# Altium PCB PCB_ESP_R8_POE_3C v2_2023-10-08.pcbdoc (part 3 of 3)
Units mm, origin at the board's own origin, x right, y up, seen from the top; angles counter-clockwise.
Board outline 188.8 x 138.86 mm, 2 copper layers (Top Layer, Bottom Layer); 275 components, 213 nets, 829 pads, 1172 vias.
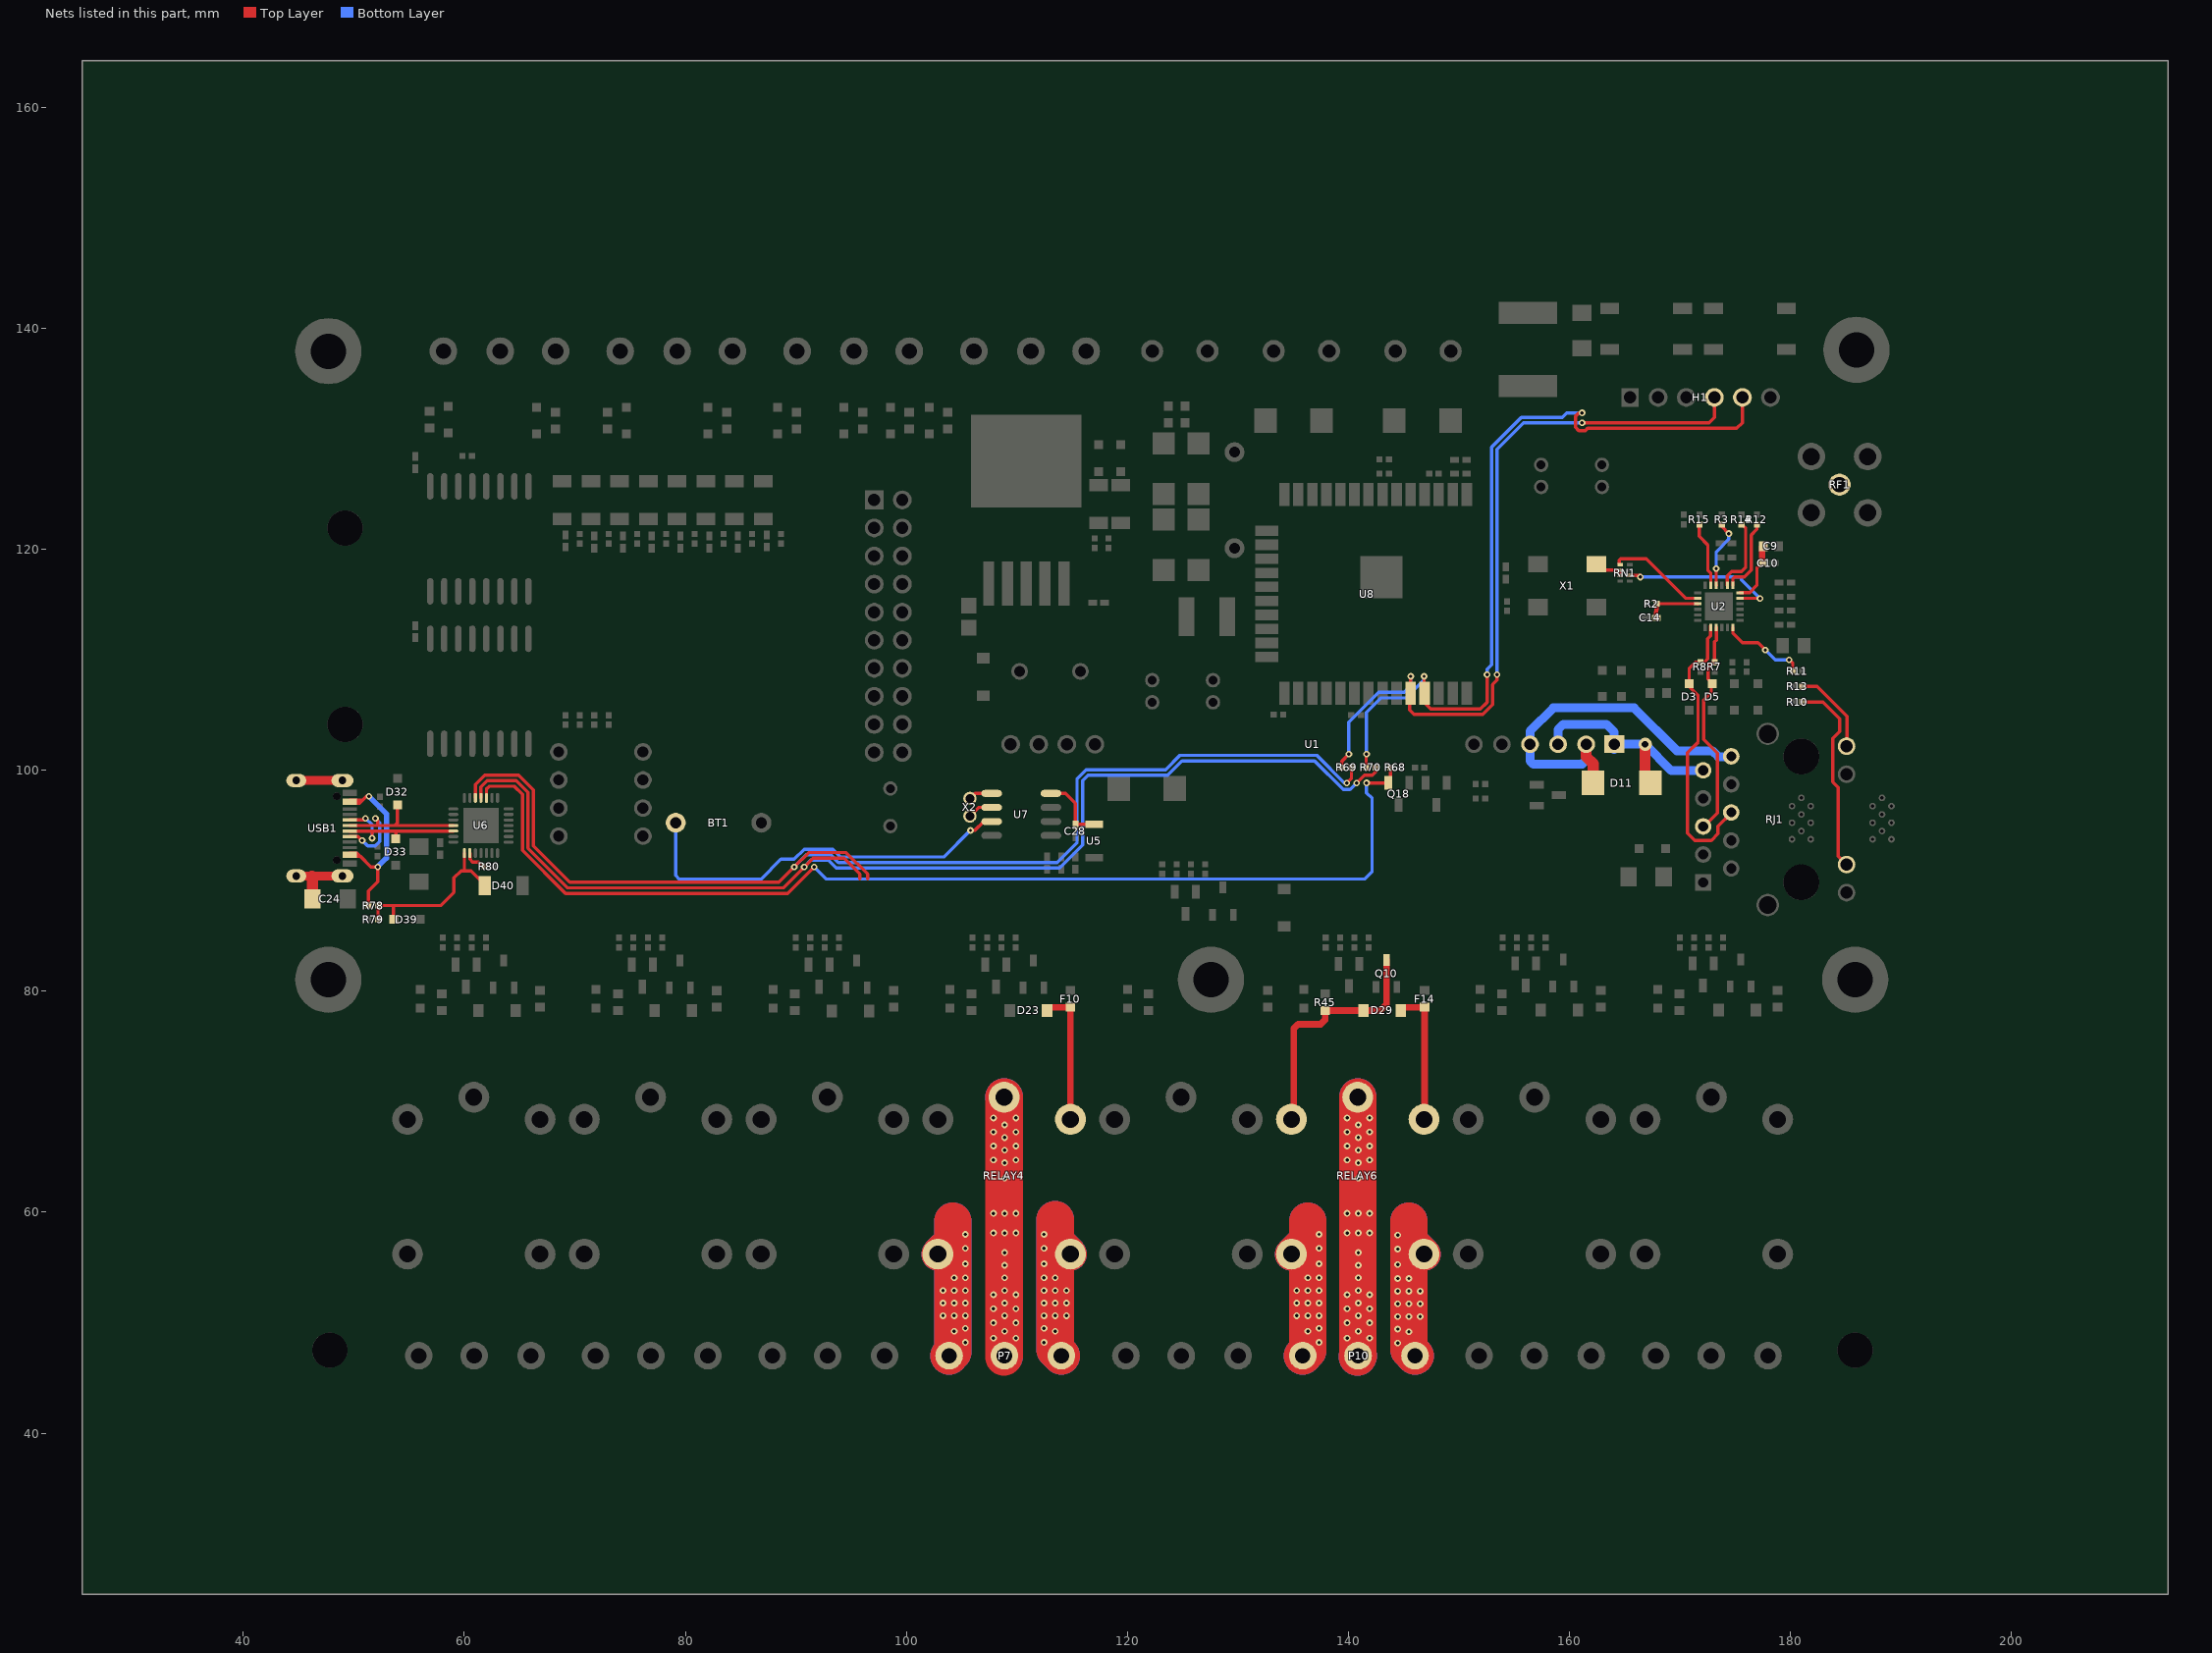
[diagram p3: the nets of this part, all layers, seen from the top]

## Via types
v1: diameter 0.6, hole 0.3, Top Layer to Bottom Layer, tented both sides, 1151 vias
v2: diameter 1.2, hole 0.6, Top Layer to Bottom Layer, tented both sides, 9 vias
v3: diameter 1, hole 0.5, Top Layer to Bottom Layer, tented both sides, 6 vias
v4: diameter 2, hole 1, Top Layer to Bottom Layer, tented both sides, 4 vias
v5: diameter 0.4, hole 0.2, Top Layer to Bottom Layer, tented both sides, 2 vias

## Nets (pads, with @x,y where several pads share a name; then routed paths per layer and width w, separated by ;. In a path a pad name is that pad's centre, name@x,y a point inside that pad or via, vN(x,y) a via of type N, cw(c..) or ccw(c..) an arc to the next point about the centre after c; other vN are vias at no path point) (continued)
RELAY4_2: P7.1 RELAY4.2 | length 31.8
  Top Layer w3: RELAY4.2@102.85,56.211 104.203,57.564 104.203,59.205
  Top Layer w3.4: P7.1@103.87,47.011 104.203,47.344 104.203,59.205
  Bottom Layer w3: RELAY4.2@102.85,56.211 104.203,57.564 104.203,59.205
  Bottom Layer w3.4: P7.1@103.87,47.011 104.203,47.344 104.203,59.205
  other v1: 105.346,48.219 104.33,49.235 105.346,49.489 103.314,50.632 104.33,50.632 105.346,50.632 103.314,51.775 104.33,51.775 105.346,51.775 103.314,52.918 104.33,52.918 105.346,52.918 104.33,54.061 105.346,54.061 105.346,55.331 105.346,56.728 105.346,57.998
RELAY4_3: P7.3 RELAY4.3 | length 32.5
  Top Layer w3: 113.474,59.332 113.474,57.586 RELAY4.3@114.849,56.211
  Top Layer w3.4: 113.474,59.332 113.474,47.567 P7.3@114.03,47.011
  Bottom Layer w3: 113.474,59.332 113.474,57.586 RELAY4.3@114.849,56.211
  Bottom Layer w3.4: 113.474,59.332 113.474,47.567 P7.3@114.03,47.011
  other v1: 112.458,48.219 113.474,49.235 112.458,49.489 112.458,50.632 113.474,50.632 114.49,50.632 112.458,51.775 113.474,51.775 114.49,51.775 112.458,52.918 113.474,52.918 114.49,52.918 112.458,54.061 113.474,54.061 112.458,55.331 112.458,56.728 112.458,57.998
RELAY4_4: D23.1 F10.2 RELAY4.4 | length 12.4
  Top Layer w0.6: D23.1@112.742,78.261 113.039,78.558 F10.2@114.85,78.558 ; RELAY4.4@114.851,68.41 F10.2@114.851,78.557
RELAY4_5: P7.2 RELAY4.5 | length 47.1
  Top Layer w3.4: P7.2@108.831,46.886 108.831,46.963 P7.2@108.879,47.011 108.85,47.04 RELAY4.5@108.85,70.411
  Bottom Layer w2.5: RELAY4.5@108.831,70.298 108.85,70.317 RELAY4.5@108.85,70.411
  Bottom Layer w3.4: RELAY4.5@108.85,70.411 108.879,70.411 P7.2@108.879,47.011
  other v1: 107.886,48.6 109.918,48.6 108.902,49.235 107.886,49.997 109.918,49.997 108.902,50.632 107.886,51.267 109.918,51.267 108.902,51.775 107.886,52.537 109.918,52.537 108.902,52.918 108.902,54.061 108.902,55.204 108.902,56.347 107.886,58.125 108.902,58.125 109.918,58.125 107.886,59.903 108.902,59.903 109.918,59.903 108.902,63.078 108.902,64.475 107.886,64.729 109.918,64.729 108.902,65.618 107.886,65.999 109.918,65.999 108.902,66.761 107.886,67.269 109.918,67.269 108.902,67.904 107.886,68.539 109.918,68.539
RELAY6_1: D29.2 Q10.3 R45.2 RELAY6.1 | length 22.1
  Top Layer w0.6: RELAY6.1@134.851,68.412 135.049,68.611 135.049,76.612 135.45,77.01 137.5,77.01 137.899,77.412 R45.2@137.9,78.258 D29.2@141.358,78.26 ; D29.2@141.357,78.261 142.9,78.261 143.45,78.811 Q10.3@143.45,82.846
RELAY6_2: P10.1 RELAY6.2 | length 32
  Top Layer w3: RELAY6.2@134.85,56.211 136.334,57.695 136.334,59.205
  Top Layer w3.4: P10.1@135.87,47.011 136.334,47.475 136.334,59.205
  Bottom Layer w3: RELAY6.2@134.85,56.211 136.334,57.695 136.334,59.205
  Bottom Layer w3.4: P10.1@135.87,47.011 136.334,47.475 136.334,59.205
  other v1: 137.35,48.219 136.334,49.235 137.35,49.489 135.318,50.632 136.334,50.632 137.35,50.632 135.318,51.775 136.334,51.775 137.35,51.775 135.318,52.918 136.334,52.918 137.35,52.918 136.334,54.061 137.35,54.061 137.35,55.331 137.35,56.728 137.35,57.998
RELAY6_3: P10.3 RELAY6.3 | length 32
  Top Layer w3: 145.478,59.205 145.478,57.582 RELAY6.3@146.849,56.211
  Top Layer w3.4: 145.478,59.205 145.478,47.563 P10.3@146.03,47.011
  Bottom Layer w3: 145.478,59.205 145.478,57.582 RELAY6.3@146.849,56.211
  Bottom Layer w3.4: 145.478,59.205 145.478,47.563 P10.3@146.03,47.011
  other v1: 144.462,48.156 145.478,49.172 144.462,49.426 144.462,50.569 145.478,50.569 146.494,50.569 144.462,51.712 145.478,51.712 146.494,51.712 144.462,52.855 145.478,52.855 146.494,52.855 144.462,53.998 145.478,53.998 144.462,55.268 144.462,56.665 144.462,57.935
RELAY6_4: D29.1 F14.2 RELAY6.4 | length 12.4
  Top Layer w0.6: D29.1@144.742,78.261 145.039,78.558 F14.2@146.9,78.558 146.9,68.462 RELAY6.4@146.85,68.411
RELAY6_5: P10.2 RELAY6.5 | length 47.5
  Top Layer w3.4: P10.2@140.835,46.886 140.835,46.967 P10.2@140.879,47.011 140.85,47.04 RELAY6.5@140.85,70.411
  Bottom Layer w2: P10.2@140.879,46.93 P10.2@140.879,47.011 P10.2@140.879,46.93 ; P10.2@140.879,46.93 140.835,46.886 P10.2@140.879,46.93
  Bottom Layer w2.5: RELAY6.5@140.835,70.298 140.85,70.313 RELAY6.5@140.85,70.411
  Bottom Layer w3.4: P10.2@140.835,46.886 140.835,46.967 P10.2@140.879,47.011 140.85,47.04 RELAY6.5@140.85,70.411
  other v1: 139.89,48.6 141.922,48.6 140.906,49.235 139.89,49.997 141.922,49.997 140.906,50.632 139.89,51.267 141.922,51.267 140.906,51.775 139.89,52.537 141.922,52.537 140.906,52.918 140.906,54.061 140.906,55.204 140.906,56.347 139.89,58.125 140.906,58.125 141.922,58.125 139.89,59.903 140.906,59.903 141.922,59.903 140.906,63.078 140.906,64.475 139.89,64.729 141.922,64.729 140.906,65.618 139.89,65.999 141.922,65.999 140.906,66.761 139.89,67.269 141.922,67.269 140.906,67.904 139.89,68.539 141.922,68.539
RJ1_9: D11.1 RJ1.9 U1.1 U1.3 | length 21.5
  Top Layer w1: v2(166.85,102.361) 166.85,98.861 D11.1@167.34,98.862
  Bottom Layer w0.8: U1.3@158.981,102.362 158.981,103.691 159.451,104.16 163.352,104.16 164.061,103.452 U1.1@164.061,101.91 ; U1.1@164.06,102.361 v2(166.85,102.361) 169.239,99.972 RJ1.9@172.135,99.972
RJ1_10: D11.2 RJ1.10 U1.2 U1.4 | length 34.2
  Top Layer w1: U1.2@161.521,102.362 161.521,101.24 162.158,100.602 D11.2@162.158,98.862
  Bottom Layer w0.8: U1.2@161.521,102.36 161.521,100.93 161.152,100.561 156.75,100.561 156.441,100.871 156.441,102.362 156.441,103.553 158.549,105.662 165.849,105.662 169.75,101.76 172.951,101.76 173.469,101.242 RJ1.10@174.675,101.242
RJ1_12: R10.1 RJ1.12 | length 18
  Top Layer w0.3: R10.1@181.09,106.195 182.943,106.195 184.467,104.671 184.467,103.528 183.832,102.893 183.832,98.956 184.34,98.448 184.34,92.212 RJ1.12@185.115,91.438
RJ1_14: R13.1 RJ1.14 | length 7.9
  Top Layer w0.3: R13.1@181.09,107.592 182.435,107.592 185.115,104.912 RJ1.14@185.115,102.156
RN1_6: RN1.6 RN1.7 X1.3 | length 2.9
  Top Layer w0.3: X1.3@162.44,118.661 162.972,118.129 RN1.7@164.608,118.129 RN1.6@164.608,117.629
RTS: Q18.2 R68.2 U6.24 | length 101.4
  Top Layer w0.3: U6.24@62,97.511 62.001,98.311 62.25,98.56 64.495,98.56 65.25,97.816 65.25,92.761 69.151,88.862 89.25,88.862 v1(91.65,91.261) ; v1(141.65,98.862) Q18.2@143.601,98.861 ; Q18.2@143.6,98.861 143.817,99.078 R68.2@143.817,100.261
  Bottom Layer w0.3: v1(91.65,91.261) 92.75,90.161 141.45,90.161 142.15,90.861 142.15,97.461 141.65,97.96 v1(141.65,98.862)
RXD: H1.4 R69.1 U8.34 | length 69.3
  Top Layer w0.3: R69.1@139.418,100.262 139.418,100.828 v1(140.05,101.461) ; U8.34@145.633,106.973 145.65,106.99 v1(145.65,108.511) ; U8.34@145.633,106.973 145.549,106.891 145.549,105.461 145.949,105.061 152.15,105.061 153.05,105.961 153.05,107.761 153.45,108.161 v1(153.45,108.661) ; v1(161.15,131.461) 172.651,131.461 173.121,131.93 H1.4@173.121,133.762
  Bottom Layer w0.3: v1(140.05,101.461) 140.05,104.361 142.75,107.061 145.05,107.061 145.65,107.661 v1(145.65,108.511) ; v1(153.45,108.661) 153.45,129.061 155.85,131.461 v1(161.15,131.461)
S$15828: 
S$15996: 
S$15998: 
S$16279: 
S$16285: 
S$16287: 
S$36735: 
S$36737: 
S$36740: 
S$36742: 
S$36745: 
S$36748: 
S$36758: 
S$36761: 
S$36763: 
S$37166: 
S$37168: 
S$37170: 
S$37172: 
S$37174: 
S$37176: 
S$37178: 
S$37180: 
S$37182: 
S$37184: 
S$37188: 
S$37269: 
S$37273: 
S$112725: 
S$360708: 
S$361067: 
S$362174: 
S$385954: 
S$385958: 
S$385962: 
SIG: RF1.1
TD+: D5.2 R7.2 RJ1.5 U2.21 | length 20
  Top Layer w0.3: RJ1.5@172.135,94.892 173.4,96.157 173.4,101.562 172.151,102.812 172.151,106.363 172.849,107.061 172.849,107.765 D5.2@172.951,107.866 ; D5.2@172.95,107.866 172.549,108.266 172.549,109.36 172.984,109.794 173.149,109.794 173.15,111.642 173.296,111.788 U2.21@173.296,112.923
TD-: D3.1 R8.2 RJ1.6 U2.20 | length 26.4
  Top Layer w0.3: D3.1@170.85,107.867 170.85,109.26 171.383,109.794 R8.2@171.851,109.794 ; D3.1@170.85,107.867 170.85,107.562 171.65,106.761 171.65,102.56 170.7,101.61 170.7,94.31 171.35,93.66 172.849,93.66 173.451,94.262 173.451,94.935 RJ1.6@174.675,96.162 ; R8.2@171.85,109.794 172.239,109.794 172.516,110.071 172.516,111.913 172.783,112.179 U2.20@172.783,113.053
TXD: H1.5 R70.1 U8.35 | length 72.6
  Top Layer w0.3: R70.1@141.617,100.261 141.617,101.428 v1(141.65,101.461) ; v1(146.85,108.511) 146.85,107.026 U8.35@146.903,106.973 ; U8.35@146.903,106.973 146.903,106.108 147.451,105.56 151.95,105.56 152.55,106.16 v1(152.55,108.661) ; v1@161.15,132.36 160.85,132.36 160.55,132.06 160.55,131.062 160.85,130.762 161.452,130.762 161.65,130.96 175.148,130.96 175.661,131.473 H1.5@175.661,133.762
  Bottom Layer w0.3: v1(141.65,101.461) 141.65,105.261 142.95,106.561 145.25,106.561 146.85,108.161 v1(146.85,108.511) ; v1(152.55,108.661) 152.549,109.162 152.951,109.56 152.951,129.261 155.651,131.961 159.351,131.961 159.752,132.361 v1(161.15,132.361)
U2_5: RN1.3 U2.5 | length 14.7
  Top Layer w0.3: RN1.3@165.463,117.629 166.433,117.63 v1(166.433,117.498) ; U2.5@175.452,115.581 177.23,115.58 v1(177.25,115.561)
  Bottom Layer w0.3: v1(166.433,117.498) 175.577,117.498 175.577,117.234 v1(177.25,115.561)
U2_6: C9.1 C10.1 U2.6 | length 5.6
  Top Layer w0.3: U2.6@175.452,116.081 176.319,116.081 176.974,116.736 176.974,118.297 C10.1@177.445,118.768
  Top Layer w0.6: C10.1@177.445,118.768 177.445,120.193 C9.1@177.544,120.292
U2_7: R12.2 U2.7 | length 7
  Top Layer w0.3: U2.7@174.795,116.738 174.795,117.351 174.942,117.498 175.831,117.498 176.466,118.133 176.466,121.308 176.974,121.816 R12.2@176.974,122.272
U2_8: R14.2 U2.8 | length 6.9
  Top Layer w0.3: U2.8@174.295,116.738 174.294,117.612 174.688,118.006 175.577,118.006 175.958,118.387 175.958,121.892 R14.2@175.577,122.272
U2_10: R3.2 U2.10 | length 6.3
  Top Layer w0.3: v1(173.291,118.26) 173.291,116.744 U2.10@173.296,116.739 ; R3.2@173.799,122.272 173.799,122.07 v1(174.434,121.435)
  Bottom Layer w0.3: v1(173.291,118.26) 173.291,119.784 174.434,120.927 v1(174.434,121.435)
U2_11: R15.2 U2.11 | length 6
  Top Layer w0.3: R15.2@171.767,122.272 171.767,121.181 172.529,120.419 172.529,118.133 172.796,117.866 U2.11@172.795,116.738
U2_14: RN1.8 U2.14 | length 9.1
  Top Layer w0.3: RN1.8@164.609,118.628 164.528,118.71 164.528,119.022 164.655,119.149 166.941,119.149 ; 166.954,119.149 170.51,115.58 U2.14@171.637,115.581
U2_15: C14.1 R2.2 U2.15 | length 5
  Top Layer w0.3: R2.2@167.882,115.085 171.634,115.085 U2.15@171.637,115.081
  Top Layer w0.4: C14.1@167.868,113.815 R2.2@167.882,115.085
U2_24: R11.1 U2.24 | length 7.7
  Top Layer w0.3: U2.24@174.795,112.924 174.795,112.438 175.671,111.562 177.068,111.562 v1(177.736,110.894) ; v1(179.895,110.005) 180.224,109.676 R11.1@180.224,108.989
  Bottom Layer w0.3: v1(177.736,110.894) 178.625,110.005 v1(179.895,110.005)
U5_1: C28.1 U5.1 U7.8 | length 6.3
  Top Layer w0.3: U7.8@113.082,97.916 114.395,97.916 115.3,97.011 C28.1@115.3,95.056 115.355,95.111 U5.1@116.994,95.111
U6_8: D39.2 D40.1 R78.2 R79.1 U6.8 | length 16.4
  Top Layer w0.3: R79.1@52.183,86.511 R78.2@52.183,87.761 ; R78.2@52.184,87.762 57.851,87.762 59.049,88.961 59.049,90.262 59.7,90.912 60.604,90.907 61.851,89.66 D40.1@61.851,89.561 ; D39.2@53.595,86.511 53.595,87.761 ; 59.999,90.912 U6.8@59.999,92.511
U6_9: R80.1 U6.9 | length 2.1
  Top Layer w0.3: U6.9@60.499,92.511 60.499,91.962 60.75,91.711 61.25,91.711 61.65,91.311 R80.1@61.817,91.311
U7_1: U7.1 X2.1 | length 2.2
  Top Layer w0.3: X2.1@105.75,97.461 106.205,97.916 U7.1@107.717,97.916
U7_2: U7.2 X2.2 | length 2.3
  Top Layer w0.3: X2.2@105.75,95.861 106.535,96.646 U7.2@107.717,96.646
U7_3: BT1.1 U7.3 | length 36.2
  Top Layer w0.3: v1@105.801,94.562 106.199,94.562 107.015,95.377 U7.3@107.718,95.377
  Bottom Layer w0.3: BT1.1@79.125,95.261 79.126,90.485 79.451,90.16 86.85,90.16 88.651,91.961 89.849,91.961 90.749,92.86 93.35,92.86 94.051,92.161 103.4,92.161 v1@105.801,94.562
  other v1: 105.8,94.561
USB1_1: C24.1 USB1.1 USB1.2 USB1.3 USB1.4 | length 10.5
  Top Layer w0.8: USB1.4@44.785,90.441 USB1.2@48.965,90.441 ; USB1.3@44.785,99.081 USB1.1@48.965,99.081
  Top Layer w1: 46.207,90.441 46.257,90.391 C24.1@46.257,88.361
USB_DN: D33.2 U6.5 USB1.A7 USB1.B7 | length 14.3
  Top Layer w0.3: USB1.A7@49.616,94.51 U6.5@59,94.511 ; USB1.B7@49.615,95.511 50.9,95.511 v1(51.05,95.661) ; v1(51.65,93.861) 51.65,94.511 ; 53.7,94.51 53.8,94.41 D33.2@53.8,93.816
  Bottom Layer w0.3: v1(51.05,95.661) 51.65,95.061 v1(51.65,93.861)
USB_DP: D32.2 U6.4 USB1.A6 USB1.B6 | length 17.6
  Top Layer w0.3: USB1.B6@49.615,94.011 50.4,94.011 v1(50.75,93.661) ; USB1.A6@49.615,95.011 U6.4@59,95.011 ; v1(51.95,95.661) 52.159,95.451 52.159,95.011 ; 53.7,95.011 53.95,95.261 D32.2@53.95,96.856
  Bottom Layer w0.3: v1@50.751,93.66 51.249,93.16 51.95,93.16 52.349,93.561 52.349,95.26 v1(51.95,95.661)
USB_RX: R69.2 U6.26 | length 107.2
  Top Layer w0.3: U6.26@61,97.511 61,98.71 61.851,99.561 64.902,99.561 66.25,98.212 66.25,93.16 69.55,89.86 88.45,89.86 v1(89.85,91.261) 91.15,92.56 94.551,92.56 96.499,90.612 96.499,90.16 ; v1(139.85,98.861) 140.283,99.294 R69.2@140.282,100.262
  Bottom Layer w0.3: v1(89.85,91.261) 90.949,92.36 93.149,92.36 93.85,91.661 113.649,91.661 115.45,93.462 115.45,99.261 116.25,100.061 123.449,100.061 124.749,101.361 137.149,101.361 139.649,98.862 v1(139.85,98.861)
USB_TX: R70.2 U6.25 | length 106.5
  Top Layer w0.3: U6.25@61.5,97.511 61.5,98.511 62.049,99.06 64.701,99.06 65.75,98.011 65.75,92.962 69.349,89.36 88.851,89.36 90.751,91.26 91.551,92.06 94.35,92.06 95.801,90.612 95.801,90.16 ; v1(140.75,98.861) 141.45,99.561 142.183,99.561 142.483,99.861 R70.2@142.482,100.262
  Bottom Layer w0.3: v1(90.75,91.261) 91.351,91.862 92.951,91.862 93.649,91.161 113.85,91.161 115.95,93.261 115.95,99.06 116.451,99.56 123.649,99.56 124.95,100.861 136.949,100.861 139.55,98.26 140.149,98.26 v1@140.751,98.862
USB_VBUS: R78.1 USB1.A4 USB1.A9 USB1.B4 USB1.B9 | length 21.7
  Top Layer w0.3: USB1.A9@49.615,92.211 USB1.B4@49.615,92.511 ; USB1.A9@49.616,92.21 50.599,92.21 51.548,91.261 v1(52.15,91.261) ; USB1.B4@49.616,92.512 50.299,92.512 51.55,91.261 v1(52.15,91.261) ; R78.1@51.317,87.761 51.317,89.094 52.15,89.927 v1(52.15,91.261) ; v1@51.15,97.661 50.8,97.311 49.615,97.311 49.615,97.011 50.5,97.011 v1@51.15,97.661 ; v1@51.15,97.661 v1(51.35,97.661) v1@51.15,97.661
  Bottom Layer w0.5: v1@51.351,97.661 52.951,96.06 52.951,92.06 v1@52.151,91.26
pads on no net: BOOT.1 BOOT.4 EN.1 EN.4 H1.2 H1.3 H1.6 RJ1. RJ1.7 RJ1.8 RN1.4 RN1.5 U1.5 U1.6 U2.4 U3.13 U6.1 U6.2 U6.10 U6.11 U6.12 U6.13 U6.14 U6.15 U6.16 U6.17 U6.18 U6.19 U6.20 U6.21 U6.22 U6.23 U6.27 U7.7 U8.4 U8.5 U8.6 U8.7 U8.17 U8.18 U8.19 U8.20 U8.21 U8.22 U8.23 U8.24 U8.32 USB1. USB1.A8 USB1.B8

## Polygon pours and split planes (outlines as drawn)
RELAY3_5 on Bottom Layer (solid): 90.327,66.008 95.153,66.008 95.694,66.19 95.694,69.365 95.567,69.619 95.661,70.326 95.661,72.358 94.772,73.12 91.978,73.12 90.868,73.175 90.233,72.54 90.327,66.008
RELAY4_5 on Bottom Layer (solid): 106.296,66.022 111.122,66.022 111.569,66.19 111.569,69.619 111.63,70.34 111.63,72.372 110.741,73.134 107.947,73.134 107.124,73.175 106.235,72.286 106.296,66.022
P9_2 on Bottom Layer (solid): 122.3,66.018 127.126,66.018 127.126,69.701 127.126,69.828 127.634,70.336 127.634,72.368 126.745,73.13 123.951,73.13 122.872,73.175 122.237,72.413 122.3,66.018
RELAY6_5 on Bottom Layer (solid): 138.303,66.007 143.129,66.007 143.129,69.69 143.129,69.817 143.637,70.325 143.637,72.357 142.748,73.119 139.954,73.119 138.874,73.175 138.239,72.54 138.303,66.007
P11_2 on Bottom Layer (solid): 154.303,66.012 159.129,66.012 159.129,69.695 159.129,69.822 159.637,70.33 159.637,72.362 158.748,73.124 155.954,73.124 154.749,73.175 154.241,72.413 154.303,66.012
P12_2 on Bottom Layer (solid): 170.309,66.007 175.135,66.007 175.135,69.69 175.135,69.817 175.643,70.325 175.643,72.357 174.754,73.119 171.96,73.119 170.751,73.175 170.243,72.413 170.309,66.007
RELAY1_5 on Bottom Layer (solid): 58.348,66.07 63.174,66.07 63.174,69.753 63.174,69.88 63.682,70.388 63.682,72.42 62.793,73.182 59.999,73.182 58.991,73.175 58.229,72.413 58.348,66.07
P5_2 on Bottom Layer (solid): 74.292,66.009 79.118,66.009 79.565,66.571 79.565,69.492 79.565,69.746 79.626,70.327 79.626,72.359 78.737,73.121 75.943,73.121 74.866,73.175 74.231,72.54 74.292,66.009
EGND on Bottom Layer (solid): 193.05,104.111 192.887,104.111 192.85,104.561 193.05,104.111
EGND on Bottom Layer (solid): 169.75,87.061 169.65,87.161 169.65,97.761 177.05,97.661 177.05,101.761 177.65,104.061 192.887,104.111 194.1,89.661 194.1,87.761 193.4,87.061 169.75,87.061
GND on Bottom Layer (solid): 39,82.711 39.2,82.911 44.8,83.511 46.1,84.561 46.4,103.561 48.4,105.561 56.6,105.561 56.3,105.861 56.3,148.011 56,147.711 39.55,147.711 38.1,146.261 40.95,99.461
GND on Bottom Layer (solid): 197.3,106.161 198.2,105.261 190.95,105.261 190.75,105.461 188.05,105.461 186.7,106.811 186.7,106.561 186.5,106.761 186.5,107.011 186.7,106.811 186.7,108.661 184.45,110.911 184.45,110.961 178.25,117.161 178.25,120.661 178.15,120.761 187.9,120.761 188,120.861 188,121.661 189.05,122.711 189.05,131.811 188.75,132.111 188.75,140.611 187.6,141.761 150.05,141.761 149.2,142.611 149.2,148.461 149.1,148.561 197.3,149.611 197.3,106.161
GND on Bottom Layer (solid): 46.322,98.648 46.334,99.366 46.65,99.361 46.322,98.648
GND on Bottom Layer (solid): 53.35,150.711 54.6,148.661 55.55,106.111 45.75,104.711 44.7,83.811 41.7,83.661 40.9,76.161 195,76.161 193.7,77.461 193.7,86.061 180.2,86.111 179.4,85.311 177.45,85.311 176.65,86.111 168.4,86.161 165.8,88.861 165.8,97.561 164.6,98.761 156.05,98.761 154.9,99.961 153.6,101.261 153.6,102.261 153.6,103.061 154.9,104.361 157.4,106.861 166.1,106.861 168,104.961 173.2,104.961 173.4,104.661 176.4,105.211 179.4,105.211 179.9,104.661 194.2,104.661 187.3,107.661 179.55,120.311 188.4,120.561 189.4,122.661 188.5,143.161 150.25,143.611 149.25,151.561
RELAY1_5 on Top Layer (solid): 57.848,66.063 63.69,66.063 63.69,69.619 63.69,72.413 62.801,73.175 59.753,73.175 59.372,73.175 57.848,71.778 57.848,66.19
RELAY1_5 on Top Layer (solid): 57.84,66.07 63.682,66.07 63.682,69.626 63.682,72.42 62.793,73.182 59.745,73.182 59.364,73.182 57.84,71.785 57.84,66.197
RELAY3_5 on Top Layer (solid): 89.852,66.063 89.852,71.651 91.376,73.175 94.678,73.175 95.694,72.286 95.694,66.063 89.852,66.063
RELAY4_5 on Top Layer (solid): 105.727,66.19 105.727,71.651 105.854,71.651 107.251,73.175 110.807,73.175 111.696,72.286 111.696,66.063 105.854,66.063 105.727,66.19
P9_2 on Top Layer (solid): 121.729,66.063 121.729,71.651 123.253,73.175 126.682,73.175 126.809,73.175 127.698,72.286 127.698,66.063 121.729,66.063
RELAY6_5 on Top Layer (solid): 137.731,66.063 137.731,71.651 137.731,71.778 139.255,73.175 142.684,73.175 142.811,73.175 143.7,72.286 143.7,66.063 137.731,66.063
P11_2 on Top Layer (solid): 153.733,66.063 153.733,71.524 153.733,71.651 155.257,73.175 158.686,73.175 158.813,73.175 159.702,72.286 159.702,66.063 153.733,66.063
P12_2 on Top Layer (solid): 169.735,66.063 169.735,71.651 171.259,73.175 174.815,73.175 175.704,72.286 175.704,66.063 169.735,66.063
12V_POE on Top Layer (solid): 108.9,103.061 111.5,105.661 116.45,105.661 117.4,106.561 119.5,108.661 119.95,108.661 120.85,107.761 120.85,97.761 120.25,97.211 119.4,97.211 118.7,97.211 118.7,103.061 117.4,104.361 114.35,104.361 112.8,102.861 112.7,102.761 112.5,101.661
3V3 on Top Layer (solid): 112.05,113.061 113.25,112.061 113.25,108.761 111.55,107.011 114.3,107.011 115.45,107.011 116.75,107.011 118.55,108.811 118.55,112.661 117.55,113.661 116.95,113.061 113.55,113.061 112.95,113.561
P16_2 on Top Layer (solid): 131.2,126.861 125.2,126.861 125.2,120.761 127.9,120.761 127.9,121.511 131.15,124.761
12V_POE on Top Layer (solid): 119.3,119.111 122.3,122.111 122.35,124.161 122.3,126.861 124.55,126.861 124.55,119.811 122.3,119.811 120.6,118.111
L2_1 on Top Layer (solid): 108.8,111.761 108,111.011 107.6,110.611 107.7,109.711 108.45,108.811 108.45,107.411 108.45,107.361 109,106.811 109.55,106.811 111.5,108.761 111.5,110.961 109.45,113.011
P5_2 on Top Layer (solid): 73.85,66.063 73.85,71.778 75.247,73.175 78.676,73.175 79.692,72.286 79.692,66.19 79.565,66.063 73.85,66.063
GND on Top Layer (solid): 48.05,147.161 48.55,142.161 49.2,141.911 52.45,139.061 56.45,139.061 56.75,139.061 57.45,139.761 56.75,144.161 56.7,147.261
GND on Top Layer (solid): 63.55,92.961 63.55,91.811 65.3,91.811 65.35,91.861 65.35,92.061 64.8,92.611 64.8,92.661 64.8,92.961 63.55,92.961
GND on Top Layer (solid): 40.05,82.661 40.25,82.861 45.7,82.861 47.1,84.261 47.1,102.261 51.8,103.661 55.7,105.511 55.6,105.611 55.6,139.461 54.6,140.461 52.05,140.461 50.65,141.311 49.6,142.911 49.1,142.911 48.45,143.561 48.45,148.611 48.25,148.411 41.25,148.411 38.5,145.661 38.5,83.911
GND on Top Layer (solid): 150.35,149.911 150.65,149.611 150.65,142.461 150.85,142.261 187.85,142.261 188.45,141.661 188.95,132.011 188.2,130.061 188.8,129.411 188.45,122.361 187.35,121.261 179.3,121.261 179.75,120.811 179.75,118.411 183.7,111.661 185.75,106.961 187.05,105.661 190.05,105.661 190.45,106.061 198.2,106.061 197.05,107.211 197.05,150.611
EGND on Top Layer (solid): 193.05,104.011 170.25,103.961 169.75,104.011 169.75,87.361 170,87.111 193.1,87.111
GND on Top Layer (solid): 56.3,149.011 56.3,139.811 54.5,139.811 55.1,138.411 55.3,137.261 54.9,137.161 55.25,105.561 46.7,102.511 45.3,88.711 45.5,83.111 40.9,83.461 40.4,77.611 41.8,76.211 51.15,76.211 95.4,76.211 125.45,76.211 156.05,76.211 193.75,76.211 194.3,76.761 194.3,84.911 193.05,86.161 180.4,86.161 179.6,85.361 177.5,85.361 176.95,86.011 176.75,86.161 167.5,86.161 166.8,86.861 166.8,95.811 166.3,96.311 161.2,96.311 160.35,97.161 160.35,98.861 158.95,100.261 155.1,100.261 153.95,101.411 153.95,103.411 157.5,106.961 158.55,106.961 166.4,106.961 168.6,104.761 195.85,104.761 196.1,105.011 185.75,108.111 180.35,120.361 187.8,120.911 189.8,121.861 192.05,122.011 192.95,129.761 189.5,131.311 189.5,133.211 189.7,133.961 189.25,134.461 188.85,143.061 151.6,143.461 151.25,148.761

## Keep-outs
Keep-Out Layer:
  lines w0.3 net S$15828: 42.482,144.703 cw(c44.541,144.519) 44.36,146.578 ; 42.484,39.943 ccw(c44.135,39.9) 44.089,38.249 ; 189.448,146.58 cw(c189.263,144.521) 191.33,144.591 ; 189.69,38.251 ccw(c189.543,40.031) 191.326,39.93

## Other copper
Top Layer:
  region net 12V: 129.3,102.011 128.2,102.011 128.2,101.16 128.2,101.11 128.25,101.11 129.3,101.11
  region net 3V3: 164.65,123.461 163.55,123.461 163.55,122.611 163.55,122.561 163.6,122.561 164.65,122.561
  region net USB_RX: 97.4,90.261 96.3,90.261 96.3,89.411 96.3,89.361 96.35,89.361 97.4,89.361
  region net USB_TX: 96,90.261 94.9,90.261 94.9,89.411 94.9,89.361 94.95,89.361 96,89.361
  region net USB1_1: 42.25,99.861 42.25,89.661 43.05,89.661 43.85,89.661 44.85,89.661 45.85,89.661 46.75,89.661 46.75,99.861
Bottom Layer:
  text "ESP-R8-POE-3C" at 189.8,40.411 h0.8
  text "2319" at 189.8,39.261 h0.8
Multi-Layer:
  region: 57.895,65.573 57.895,72.456 cw(c58.145,72.456) 57.968,72.633 58.814,73.479 cw(c58.991,73.302) 58.991,73.552 62.801,73.552 cw(c62.801,73.302) 62.978,73.479 63.867,72.59 cw(c63.69,72.413) 63.94,72.413 63.94,65.573 cw(c63.69,65.573) 63.44,65.573 63.44,72.309 62.697,73.052 59.095,73.052 58.395,72.353 58.395,65.573 cw(c58.145,65.573) 57.895,65.573
  region: 73.85,65.555 73.85,72.438 cw(c74.1,72.438) 73.923,72.615 74.769,73.461 cw(c74.946,73.284) 74.946,73.534 78.756,73.534 cw(c78.756,73.284) 78.933,73.461 79.822,72.572 cw(c79.645,72.395) 79.895,72.395 79.895,65.555 cw(c79.645,65.555) 79.395,65.555 79.395,72.292 78.652,73.034 75.049,73.034 74.35,72.335 74.35,65.555 cw(c74.1,65.555) 73.85,65.555
  region: 89.85,65.561 89.85,72.444 cw(c90.1,72.444) 89.923,72.621 90.769,73.467 cw(c90.946,73.29) 90.946,73.54 94.756,73.54 cw(c94.756,73.29) 94.932,73.467 95.821,72.578 cw(c95.645,72.401) 95.895,72.401 95.895,65.561 cw(c95.645,65.561) 95.395,65.561 95.395,72.298 94.652,73.04 91.049,73.04 90.35,72.341 90.35,65.561 cw(c90.1,65.561) 89.85,65.561
  region: 105.854,65.555 105.854,72.438 cw(c106.104,72.438) 105.927,72.615 106.773,73.461 cw(c106.95,73.284) 106.95,73.534 110.76,73.534 cw(c110.76,73.284) 110.937,73.461 111.826,72.572 cw(c111.649,72.395) 111.899,72.395 111.899,65.555 cw(c111.649,65.555) 111.399,65.555 111.399,72.292 110.656,73.034 107.053,73.034 106.354,72.335 106.354,65.555 cw(c106.104,65.555) 105.854,65.555
  region: 121.729,65.555 121.729,72.438 cw(c121.979,72.438) 121.802,72.615 122.648,73.461 cw(c122.825,73.284) 122.825,73.534 126.635,73.534 cw(c126.635,73.284) 126.812,73.461 127.701,72.572 cw(c127.524,72.395) 127.774,72.395 127.774,65.555 cw(c127.524,65.555) 127.274,65.555 127.274,72.292 126.531,73.034 122.928,73.034 122.229,72.335 122.229,65.555 cw(c121.979,65.555) 121.729,65.555
  region: 137.731,65.555 137.731,72.438 cw(c137.981,72.438) 137.804,72.615 138.65,73.461 cw(c138.827,73.284) 138.827,73.534 142.637,73.534 cw(c142.637,73.284) 142.814,73.461 143.703,72.572 cw(c143.526,72.395) 143.776,72.395 143.776,65.555 cw(c143.526,65.555) 143.276,65.555 143.276,72.292 142.533,73.034 138.93,73.034 138.231,72.335 138.231,65.555 cw(c137.981,65.555) 137.731,65.555
  region: 153.733,65.555 153.733,72.438 cw(c153.983,72.438) 153.806,72.615 154.652,73.461 cw(c154.829,73.284) 154.829,73.534 158.639,73.534 cw(c158.639,73.284) 158.816,73.461 159.705,72.572 cw(c159.528,72.395) 159.778,72.395 159.778,65.555 cw(c159.528,65.555) 159.278,65.555 159.278,72.292 158.535,73.034 154.932,73.034 154.233,72.335 154.233,65.555 cw(c153.983,65.555) 153.733,65.555
  region: 169.735,65.555 169.735,72.438 cw(c169.985,72.438) 169.808,72.615 170.654,73.461 cw(c170.831,73.284) 170.831,73.534 174.641,73.534 cw(c174.641,73.284) 174.818,73.461 175.707,72.572 cw(c175.53,72.395) 175.78,72.395 175.78,65.555 cw(c175.53,65.555) 175.28,65.555 175.28,72.292 174.537,73.034 170.934,73.034 170.235,72.335 170.235,65.555 cw(c169.985,65.555) 169.735,65.555

## Silkscreen, mask and mechanical layers (free items; w line width, h text height)
Top Overlay:
  circle w0.8: c185.864,47.521 r3.429
  circle w0.8: c47.815,47.521 r3.429
  circle w0.8: c47.688,137.945 r3.429
  circle w0.8: c185.991,138.072 r3.429
  circle w0.8: c185.864,81.049 r3.429
  circle w0.8: c127.571,81.049 r3.429
  circle w0.8: c47.688,81.049 r3.429
  region net S$385958: 74.85,104.561 74.85,104.261 75.45,104.261 75.45,104.561
  lines w0.254: 96.15,89.211 96.15,90.411 ; 96.15,89.211 94.75,89.211 94.75,90.411 96.15,90.411 ; 96.15,89.211 97.55,89.211 ; 96.15,89.211 96.15,90.411 ; 96.15,90.411 97.55,90.411 ; 97.55,89.211 97.55,90.411 ; 97.55,89.211 98.95,89.211 98.95,90.411 97.55,90.411 ; 97.55,89.211 97.55,90.411 ; 182.181,53.744 189.801,53.744 189.801,75.207 182.181,75.207 182.181,53.744
  lines w0.3: 53.149,38.758 68.643,38.758 68.643,42.314 53.149,42.314 53.149,38.758 ; 55.562,142.517 70.992,142.517 70.992,146.073 55.562,146.073 55.562,142.517 ; 69.183,38.758 84.613,38.758 84.613,42.314 69.183,42.314 69.183,38.758 ; 71.564,142.517 86.994,142.517 86.994,146.073 71.564,146.073 71.564,142.517 ; 85.153,38.758 100.583,38.758 100.583,42.314 85.153,42.314 85.153,38.758 ; 87.566,142.517 102.996,142.517 102.996,146.073 87.566,146.073 87.566,142.517 ; 101.155,38.758 116.585,38.758 116.585,42.314 101.155,42.314 101.155,38.758 ; 103.568,142.517 118.998,142.517 118.998,146.073 103.568,146.073 103.568,142.517 ; 117.157,38.758 132.587,38.758 132.587,42.314 117.157,42.314 117.157,38.758 ; 119.546,142.519 129.96,142.519 129.96,146.075 119.546,146.075 119.546,142.519 ; 130.536,142.521 140.95,142.521 140.95,146.077 130.536,146.077 130.536,142.521 ; 133.159,38.758 148.589,38.758 148.589,42.314 133.159,42.314 133.159,38.758 ; 141.497,142.519 151.911,142.519 151.911,146.075 141.497,146.075 141.497,142.519 ; 149.161,38.758 164.591,38.758 164.591,42.314 149.161,42.314 149.161,38.758 ; 165.163,38.758 180.593,38.758 180.593,42.314 165.163,42.314 165.163,38.758
  lines w0.3 net S$112725: 152.399,146.06 189.25,146.06 ; 190.85,129.012 190.85,144.46
  lines w0.3 net S$15996: 58.356,38.885 58.356,42.314 ; 65.627,142.517 65.627,145.946 ; 74.421,38.885 74.421,42.314 ; 81.629,142.517 81.629,145.946 ; 90.423,38.885 90.423,42.314 ; 97.631,142.517 97.631,145.946 ; 106.425,38.885 106.425,42.314 ; 113.633,142.517 113.633,145.946 ; 122.427,38.885 122.427,42.314 ; 124.5,142.646 124.5,146.075 ; 135.489,142.648 135.489,146.077 ; 138.429,38.885 138.429,42.314 ; 146.45,142.646 146.45,146.075 ; 154.431,38.885 154.431,42.314 ; 170.433,38.885 170.433,42.314
  lines w0.3 net S$15998: 60.547,142.517 60.547,146.073 ; 63.436,38.758 63.436,42.314 ; 76.549,142.517 76.549,146.073 ; 79.501,38.758 79.501,42.314 ; 92.551,142.517 92.551,146.073 ; 95.503,38.758 95.503,42.314 ; 108.553,142.517 108.553,146.073 ; 111.505,38.758 111.505,42.314 ; 127.507,38.758 127.507,42.314 ; 143.509,38.758 143.509,42.314 ; 159.511,38.758 159.511,42.314 ; 175.513,38.758 175.513,42.314
  lines w0.3 net S$16279: 42.989,40.023 42.989,40.536 42.989,63.015 42.989,83.716 43,89.861 ; 42.99,40.096 ccw(c44.228,39.999) 44.258,38.758 ; 42.99,144.421 42.989,144.422 42.989,118.641 42.989,103.528 43,99.661 ; 42.989,144.441 cw(c44.581,144.478) 44.64,146.069 ; 44.254,38.758 52.514,38.758 ; 44.64,146.073 54.927,146.073 ; 189.221,146.061 cw(c189.258,144.469) 190.85,144.411 ; 189.46,38.761 ccw(c189.461,40.119) 190.819,40.153
  lines w0.3 net S$16285: 181.038,38.758 189.42,38.758 ; 190.817,40.155 190.817,47.013 190.817,61.618 190.817,71.651 190.817,80.287 190.817,86.764
  lines w0.3 net S$16287: 190.85,104.311 190.85,104.29 190.85,109.51 ; 190.85,118.261 190.85,122.711
  lines w0.3 net S$385954: 74.55,104.561 75.15,103.961 ; 75.15,108.561 75.15,103.961 ; 75.15,103.961 75.15,103.961
  lines w0.3 net S$385958: 75.75,104.561 75.15,103.961 ; 75.15,103.961 75.15,103.961
  lines w0.3 net S$385962: 74.55,104.561 75.75,104.561
  text "IO5" at 123.4,145.761 h1.4 r180
  text "IO4" at 128.55,145.761 h1.4 r180
  text "AUX" at 134.85,145.761 h1.4 r180
  text "GND" at 140.061,145.761 h1.4 r180
  text "12V" at 145.561,145.759 h1.4 r180
  text "GND" at 151.022,145.759 h1.4 r180
  text "4" at 90.076,144.491 h1.4 r324
  text "7" at 68.474,144.423 h1.4 r335
  text "8" at 58.483,144.357 h1.4
  text "C" at 63.595,144.357 h1.4
  text "6" at 74.546,144.36 h1.4 r5
  text "C" at 79.597,144.357 h1.4
  text "5" at 84.772,144.357 h1.4
  text "C" at 95.599,144.357 h1.4
  text "3" at 100.774,144.357 h1.4
  text "2" at 106.489,144.357 h1.4
  text "C" at 111.601,144.357 h1.4
  text "1" at 116.522,144.357 h1.4
  text "RX" at 174.15,130.461 h1 r90
  text "TX" at 176.75,130.461 h1 r90
  text "GND" at 166.55,129.461 h1 r90
  text "CAUTION: ELECTROSTATIC SENSITIVE DEVICE" at 44.24,127.023 h0.8 r270
  text "GND" at 92.265,123.248 h1.2
  text "GND" at 101.409,123.248 h1.2
  text "3V3" at 165.2,122.061 h1
  text "GND" at 92.265,120.708 h1.2
  text "12V" at 101.409,120.708 h1.2
  text "IO12" at 92.35,118.261 h1.2
  text "GND" at 101.409,118.168 h1.2
  text "IO16" at 92.35,115.661 h1.2
  text "IO4" at 101.536,115.628 h1.2
  text "IO5" at 101.536,113.088 h1.2
  text "ESP-R8-POE-3C" at 68.25,113.061 h1.6
  text "IO13" at 92.35,113.061 h1.2
  text "1 = IO4 4.7K PULLUP" at 70.14,112.001 h0.8
  text "2 = IO5 4.7K PULLUP" at 69.84,110.901 h0.8
  text "IO17" at 92.35,110.661 h1.2
  text "GND" at 101.409,110.548 h1.2
  text "3 = IO17 PHY POWER" at 69.84,109.801 h0.8
  text "4 = IO13 INT ENABLE" at 69.8,108.711 h0.8
  text "3V3" at 92.25,108.061 h1.2
  text "12V" at 101.409,108.008 h1.2
  text "PWR" at 155.75,107.411 h1.6
  text "SCL" at 92.35,105.461 h1.2
  text "12V" at 101.409,105.468 h1.2
  text "STAT" at 155.75,105.111 h1.6
  text "SDA" at 92.25,102.961 h1.2
  text "GND" at 101.409,102.928 h1.2
  text "12V" at 129.9,100.611 h1
  text "GND" at 92.265,100.388 h1.2
  text "GND" at 101.409,100.388 h1.2
  text "TX" at 96.5,90.761 h1 r90
  text "RX" at 97.9,90.761 h1 r90
  text "GND" at 99.3,90.761 h1 r90
  text "8" at 167.525,76.336 h1.6 r180
  text "1" at 55.65,76.311 h1.6 r180
  text "2" at 71.382,76.307 h1.6 r180
  text "3" at 87.4,76.311 h1.6 r180
  text "5" at 119.45,76.311 h1.6 r180
  text "6" at 135.43,76.308 h1.6 r185
  text "7" at 151.75,76.23 h1.6 r154
  text "4" at 103.92,76.158 h1.6 r144
  text "RELAY OUTPUTS RATED" at 183.978,59.586 h0.8 r90
  text "FOR 10A 250VAC/30VDC" at 185.248,59.593 h0.8 r91
  text "DAMAGE OR FIRE MAY" at 187.153,59.586 h0.8 r90
  text "OCCUR IF THESE LIMITS" at 188.423,59.586 h0.8 r90
  text "ARE EXCEEDED" at 189.693,59.586 h0.8 r90
  text "C" at 60.388,40.474 h1.4 r180
  text "C" at 76.453,40.474 h1.4 r180
  text "C" at 92.455,40.474 h1.4 r180
  text "C" at 108.457,40.474 h1.4 r180
  text "C" at 124.459,40.474 h1.4 r180
  text "C" at 140.461,40.474 h1.4 r180
  text "C" at 156.463,40.474 h1.4 r180
  text "C" at 172.465,40.474 h1.4 r180
  text "NO" at 54.546,39.074 h1.4
  text "NC" at 64.96,39.074 h1.4
  text "NO" at 70.675,39.074 h1.4
  text "NC" at 80.962,39.074 h1.4
  text "NO" at 86.677,39.074 h1.4
  text "NC" at 96.964,39.074 h1.4
  text "NO" at 102.679,39.074 h1.4
  text "NC" at 112.966,39.074 h1.4
  text "NO" at 118.681,39.074 h1.4
  text "NC" at 128.841,39.074 h1.4
  text "NO" at 134.683,39.074 h1.4
  text "NC" at 144.97,39.074 h1.4
  text "NO" at 150.685,39.074 h1.4
  text "NC" at 160.972,39.074 h1.4
  text "NO" at 166.687,39.074 h1.4
  text "NC" at 176.974,39.074 h1.4
Bottom Overlay:
  lines w0.5 net S$360708: 55.45,65.86 56.25,65.86 57.35,66.962 57.35,72.761 ; 58.651,74.061 63.149,74.061 ; 64.449,72.761 64.449,66.962 65.549,65.86 66.451,65.86 ; 71.4,65.859 72.2,65.859 73.299,66.962 73.299,72.76 ; 74.6,74.061 79.098,74.061 ; 80.399,72.76 80.399,66.962 81.499,65.859 82.4,65.859 ; 87.4,65.86 88.2,65.86 89.3,66.963 89.3,72.761 ; 90.6,74.062 95.099,74.062 ; 96.399,72.761 96.399,66.963 97.499,65.86 98.401,65.86 ; 103.4,65.859 104.2,65.859 105.3,66.962 105.3,72.76 ; 106.601,74.061 111.099,74.061 ; 112.399,72.76 112.399,66.962 113.499,65.859 114.401,65.859 ; 119.301,65.86 120.149,65.86 121.201,66.914 121.201,72.713 ; 122.5,74.012 126.999,74.012 ; 128.3,72.713 128.3,66.914 129.352,65.86 130.299,65.86 ; 135.3,65.86 136.149,65.86 137.2,66.911 137.2,72.713 ; 138.5,74.012 142.999,74.012 ; 144.299,72.712 144.299,66.913 145.399,65.81 146.301,65.81 ; 151.35,65.812 152.049,65.812 153.2,66.962 153.2,72.761 ; 154.501,74.062 158.999,74.062 ; 160.299,72.761 160.299,66.962 161.452,65.812 162.3,65.812 ; 167.35,65.812 168.048,65.812 169.199,66.962 169.199,72.761 ; 170.5,74.062 174.999,74.062 ; 176.299,72.762 176.299,66.963 177.399,65.86 178.301,65.86
  lines w0.5 net S$361067: 68,65.861 69.9,65.861 ; 84,65.861 85.9,65.861 ; 100,65.861 101.9,65.861 ; 115.9,65.861 117.8,65.861 ; 131.85,65.861 133.75,65.861 ; 147.85,65.811 149.75,65.811 ; 163.85,65.811 165.75,65.811
  text "SCAN FOR DOCUMENTATION" at 155.35,101.336 h0.65 r180
  text "SCAN FOR DOCUMENTATION" at 170.475,98.961 h0.65 r90
  text "ESP-R8-POE-3C 8-channel IoT Automation Controller" at 152.03,86.561 h1.2
  text "SCAN FOR DOCUMENTATION" at 152.925,86.061 h0.65 r270
  text "https://github.com/DanielLCopeland/ESP-R8-POE-3C" at 152.03,84.861 h1.2
  text "SCAN FOR DOCUMENTATION" at 168.25,83.786 h0.65
Top Solder:
  region: 96.103,97.931 96.103,95.391 103.596,95.391 103.596,97.931
  region: 191.579,117.879 187.007,117.879 187.007,109.878 191.579,109.878
  circle w1 net S$362174: c183.33,42.451 r0.5
  circle w1 net S$362174: c50.64,42.451 r0.5
  circle w1 net S$362174: c52.18,142.391 r0.5
  region: 94.9,90.261 94.9,89.361 96,89.361 96,90.261
  region: 96.3,90.261 96.3,89.361 97.4,89.361 97.4,90.261
  region: 97.7,90.261 97.7,89.361 98.8,89.361 98.8,90.261
  region: 164.65,123.461 164.65,122.561 163.55,122.561 163.55,123.461
  circle w1 net FID5: c168.45,103.361 r0.5
  region: 129.3,102.011 129.3,101.11 128.2,101.11 128.2,102.011
  lines w0.6 net P11_1: 151.32,49.235 151.32,54.061 ; 152.336,49.235 152.336,54.061 ; 153.352,49.235 153.352,57.998
  lines w0.6 net P11_2: 155.892,48.6 155.892,54.061 ; 155.892,57.617 155.892,60.538 ; 155.892,63.078 155.892,68.539 ; 156.908,49.235 156.908,67.904 ; 157.924,48.6 157.924,54.061 ; 157.924,57.617 157.924,60.538 ; 157.924,63.078 157.924,68.539
  lines w0.6 net P11_3: 160.464,49.235 160.464,57.998 ; 161.48,49.235 161.48,54.061 ; 162.496,49.235 162.496,54.061
  lines w0.6 net P12_1: 167.322,49.235 167.322,54.061 ; 168.338,49.235 168.338,54.061 ; 169.354,49.235 169.354,57.998
  lines w0.6 net P12_2: 171.894,48.6 171.894,54.061 ; 171.894,57.617 171.894,60.538 ; 171.894,63.078 171.894,68.539 ; 172.91,49.235 172.91,67.904 ; 173.926,48.6 173.926,54.061 ; 173.926,57.617 173.926,60.538 ; 173.926,63.078 173.926,68.539
  lines w0.6 net P12_3: 176.466,49.235 176.466,57.998 ; 177.482,49.235 177.482,54.061 ; 178.498,49.235 178.498,54.061
  lines w0.6 net P5_2: 75.882,48.6 75.882,54.061 ; 75.882,57.617 75.882,60.538 ; 75.882,63.078 75.882,68.539 ; 76.898,49.235 76.898,67.904 ; 77.914,48.6 77.914,54.061 ; 77.914,57.617 77.914,60.538 ; 77.914,63.078 77.914,68.539
  lines w0.6 net P9_1: 119.316,49.235 119.316,54.061 ; 120.332,49.235 120.332,54.061 ; 121.348,49.235 121.348,57.998
  lines w0.6 net P9_2: 123.888,48.6 123.888,54.061 ; 123.888,57.617 123.888,60.538 ; 123.888,63.078 123.888,68.539 ; 124.904,49.235 124.904,67.904 ; 125.92,48.6 125.92,54.061 ; 125.92,57.617 125.92,60.538 ; 125.92,63.078 125.92,68.539
  lines w0.6 net P9_3: 128.46,49.235 128.46,57.998 ; 129.476,49.235 129.476,54.061 ; 130.492,49.235 130.492,54.061
  lines w0.6 net S$37166: 55.308,49.172 55.308,53.998 ; 71.31,49.235 71.31,54.061 ; 87.312,49.235 87.312,54.061 ; 103.314,49.235 103.314,54.061 ; 135.318,49.235 135.318,54.061
  lines w0.6 net S$37168: 56.324,49.172 56.324,53.998 ; 72.326,49.235 72.326,54.061 ; 88.328,49.235 88.328,54.061 ; 104.33,49.235 104.33,54.061 ; 136.334,49.235 136.334,54.061
  lines w0.6 net S$37170: 57.34,49.172 57.34,57.935 ; 73.342,49.235 73.342,57.998 ; 89.344,49.235 89.344,57.998 ; 105.346,49.235 105.346,57.998 ; 137.35,49.235 137.35,57.998
  lines w0.6 net S$37172: 59.88,48.537 59.88,53.998 ; 91.884,48.6 91.884,54.061 ; 107.886,48.6 107.886,54.061 ; 139.89,48.6 139.89,54.061
  lines w0.6 net S$37174: 60.896,49.172 60.896,67.841 ; 92.9,49.235 92.9,67.904 ; 108.902,49.235 108.902,67.904 ; 140.906,49.235 140.906,67.904
  lines w0.6 net S$37176: 61.912,48.537 61.912,53.998 ; 93.916,48.6 93.916,54.061 ; 109.918,48.6 109.918,54.061 ; 141.922,48.6 141.922,54.061
  lines w0.6 net S$37178: 64.452,49.172 64.452,57.935 ; 80.454,49.235 80.454,57.998 ; 96.456,49.235 96.456,57.998 ; 112.458,49.235 112.458,57.998 ; 144.462,49.235 144.462,57.998
  lines w0.6 net S$37180: 65.468,49.172 65.468,53.998 ; 81.47,49.235 81.47,54.061 ; 97.472,49.235 97.472,54.061 ; 113.474,49.235 113.474,54.061 ; 145.478,49.235 145.478,54.061
  lines w0.6 net S$37182: 66.484,49.172 66.484,53.998 ; 82.486,49.235 82.486,54.061 ; 98.488,49.235 98.488,54.061 ; 114.49,49.235 114.49,54.061 ; 146.494,49.235 146.494,54.061
  lines w0.6 net S$37184: 59.88,63.015 59.88,68.476 ; 91.884,63.078 91.884,68.539 ; 107.886,63.078 107.886,68.539 ; 139.89,63.078 139.89,68.539
  lines w0.6 net S$37188: 61.912,63.015 61.912,68.476 ; 93.916,63.078 93.916,68.539 ; 109.918,63.078 109.918,68.539 ; 141.922,63.078 141.922,68.539
  lines w0.6 net S$37269: 61.912,57.554 61.912,60.475 ; 93.916,57.617 93.916,60.538 ; 109.918,57.617 109.918,60.538 ; 141.922,57.617 141.922,60.538
  lines w0.6 net S$37273: 59.88,57.554 59.88,60.475 ; 91.884,57.617 91.884,60.538 ; 107.886,57.617 107.886,60.538 ; 139.89,57.617 139.89,60.538
Bottom Solder:
  region: 172.148,116.228 172.148,113.434 174.942,113.434 174.942,116.228
  region: 187.134,117.942 187.134,109.941 191.452,109.941 191.452,117.942
  lines w0.6 net P11_1: 151.32,49.235 151.32,54.061 ; 152.336,48.854 152.336,54.823 ; 153.352,48.219 153.352,57.998
  lines w0.6 net P11_2: 155.892,48.6 155.892,68.539 ; 156.908,48.854 156.908,68.285 ; 157.924,48.6 157.924,68.539
  lines w0.6 net P11_3: 160.464,48.219 160.464,57.998 ; 161.48,48.854 161.48,54.823 ; 162.496,49.235 162.496,54.061
  lines w0.6 net P12_1: 167.322,49.235 167.322,54.061 ; 168.338,48.854 168.338,54.823 ; 169.354,48.219 169.354,57.998
  lines w0.6 net P12_2: 171.894,48.6 171.894,68.539 ; 172.91,48.854 172.91,68.285 ; 173.926,48.6 173.926,68.539
  lines w0.6 net P12_3: 176.466,48.219 176.466,57.998 ; 177.482,48.854 177.482,54.823 ; 178.498,49.235 178.498,54.061
  lines w0.6 net P5_2: 75.882,48.6 75.882,68.539 ; 76.898,48.854 76.898,68.285 ; 77.914,48.6 77.914,68.539
  lines w0.6 net P9_1: 119.316,49.235 119.316,54.061 ; 120.332,48.854 120.332,54.823 ; 121.348,48.219 121.348,57.998
  lines w0.6 net P9_2: 123.888,48.6 123.888,68.539 ; 124.904,48.854 124.904,68.285 ; 125.92,48.6 125.92,68.539
  lines w0.6 net P9_3: 128.46,48.219 128.46,57.998 ; 129.476,48.854 129.476,54.823 ; 130.492,49.235 130.492,54.061
  lines w0.6 net S$36735: 56.324,48.791 56.324,54.76 ; 72.326,48.854 72.326,54.823 ; 88.328,48.854 88.328,54.823 ; 104.33,48.854 104.33,54.823 ; 136.334,48.854 136.334,54.823
  lines w0.6 net S$36737: 57.34,48.156 57.34,57.935 ; 73.342,48.219 73.342,57.998 ; 89.344,48.219 89.344,57.998 ; 105.346,48.219 105.346,57.998 ; 137.35,48.219 137.35,57.998
  lines w0.6 net S$36740: 55.308,49.172 55.308,53.998 ; 71.31,49.235 71.31,54.061 ; 87.312,49.235 87.312,54.061 ; 103.314,49.235 103.314,54.061 ; 135.318,49.235 135.318,54.061
  lines w0.6 net S$36742: 60.896,48.791 60.896,68.222 ; 92.9,48.854 92.9,68.285 ; 108.902,48.854 108.902,68.285 ; 140.906,48.854 140.906,68.285
  lines w0.6 net S$36745: 59.88,48.537 59.88,68.476 ; 91.884,48.6 91.884,68.539 ; 107.886,48.6 107.886,68.539 ; 139.89,48.6 139.89,68.539
  lines w0.6 net S$36748: 61.912,48.537 61.912,68.476 ; 93.916,48.6 93.916,68.539 ; 109.918,48.6 109.918,68.539 ; 141.922,48.6 141.922,68.539
  lines w0.6 net S$36758: 65.468,48.791 65.468,54.76 ; 81.47,48.854 81.47,54.823 ; 97.472,48.854 97.472,54.823 ; 113.474,48.854 113.474,54.823 ; 145.478,48.854 145.478,54.823
  lines w0.6 net S$36761: 64.452,48.156 64.452,57.935 ; 80.454,48.219 80.454,57.998 ; 96.456,48.219 96.456,57.998 ; 112.458,48.219 112.458,57.998 ; 144.462,48.219 144.462,57.998
  lines w0.6 net S$36763: 66.484,49.172 66.484,53.998 ; 82.486,49.235 82.486,54.061 ; 98.488,49.235 98.488,54.061 ; 114.49,49.235 114.49,54.061 ; 146.494,49.235 146.494,54.061
  text "ESP-R8-POE-3C" at 189.8,40.411 h0.8
  text "2319" at 189.8,39.261 h0.8

## Text inside footprints (layer, text, board x,y; h text height)
DIP1: Top Overlay "1" at 74.62,94.081 h0.5 r270; Top Overlay "2" at 74.551,96.619 h0.5 r270; Top Overlay "3" at 74.549,99.082 h0.5 r270; Top Overlay "4" at 74.594,101.68 h0.5 r235; Top Overlay "ON" at 70.55,93.497 h0.8 r90
U8: Top Overlay "ESP32" at 134.85,120.045 h2.03